# Allegro board 8880F5-0823_1_maisha.brd
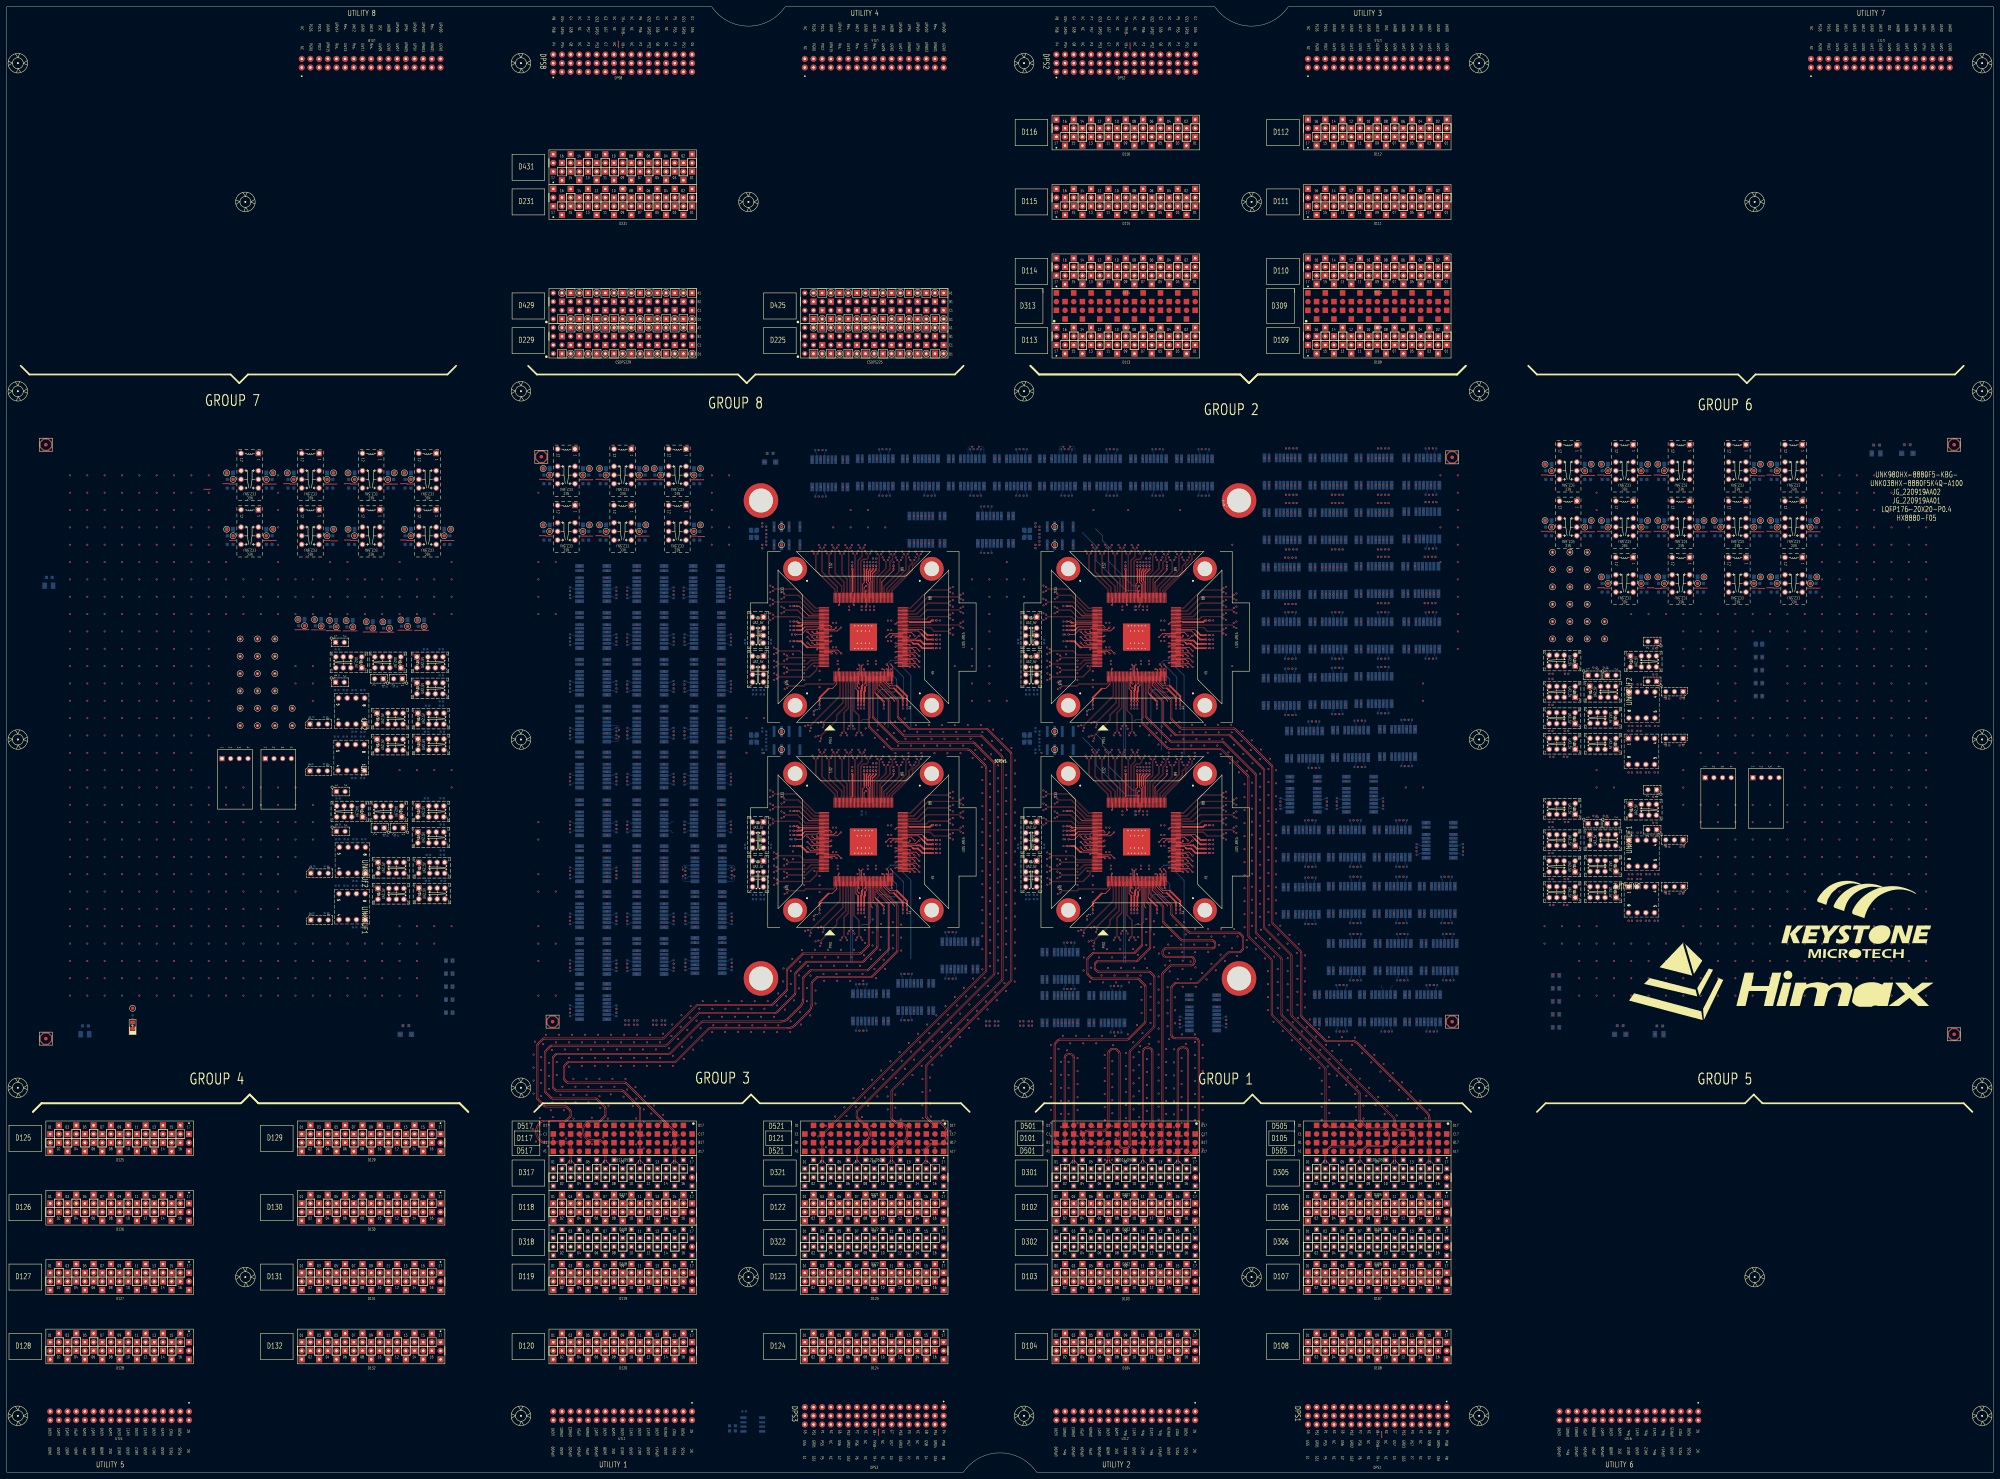
[diagram p0: board, top side]
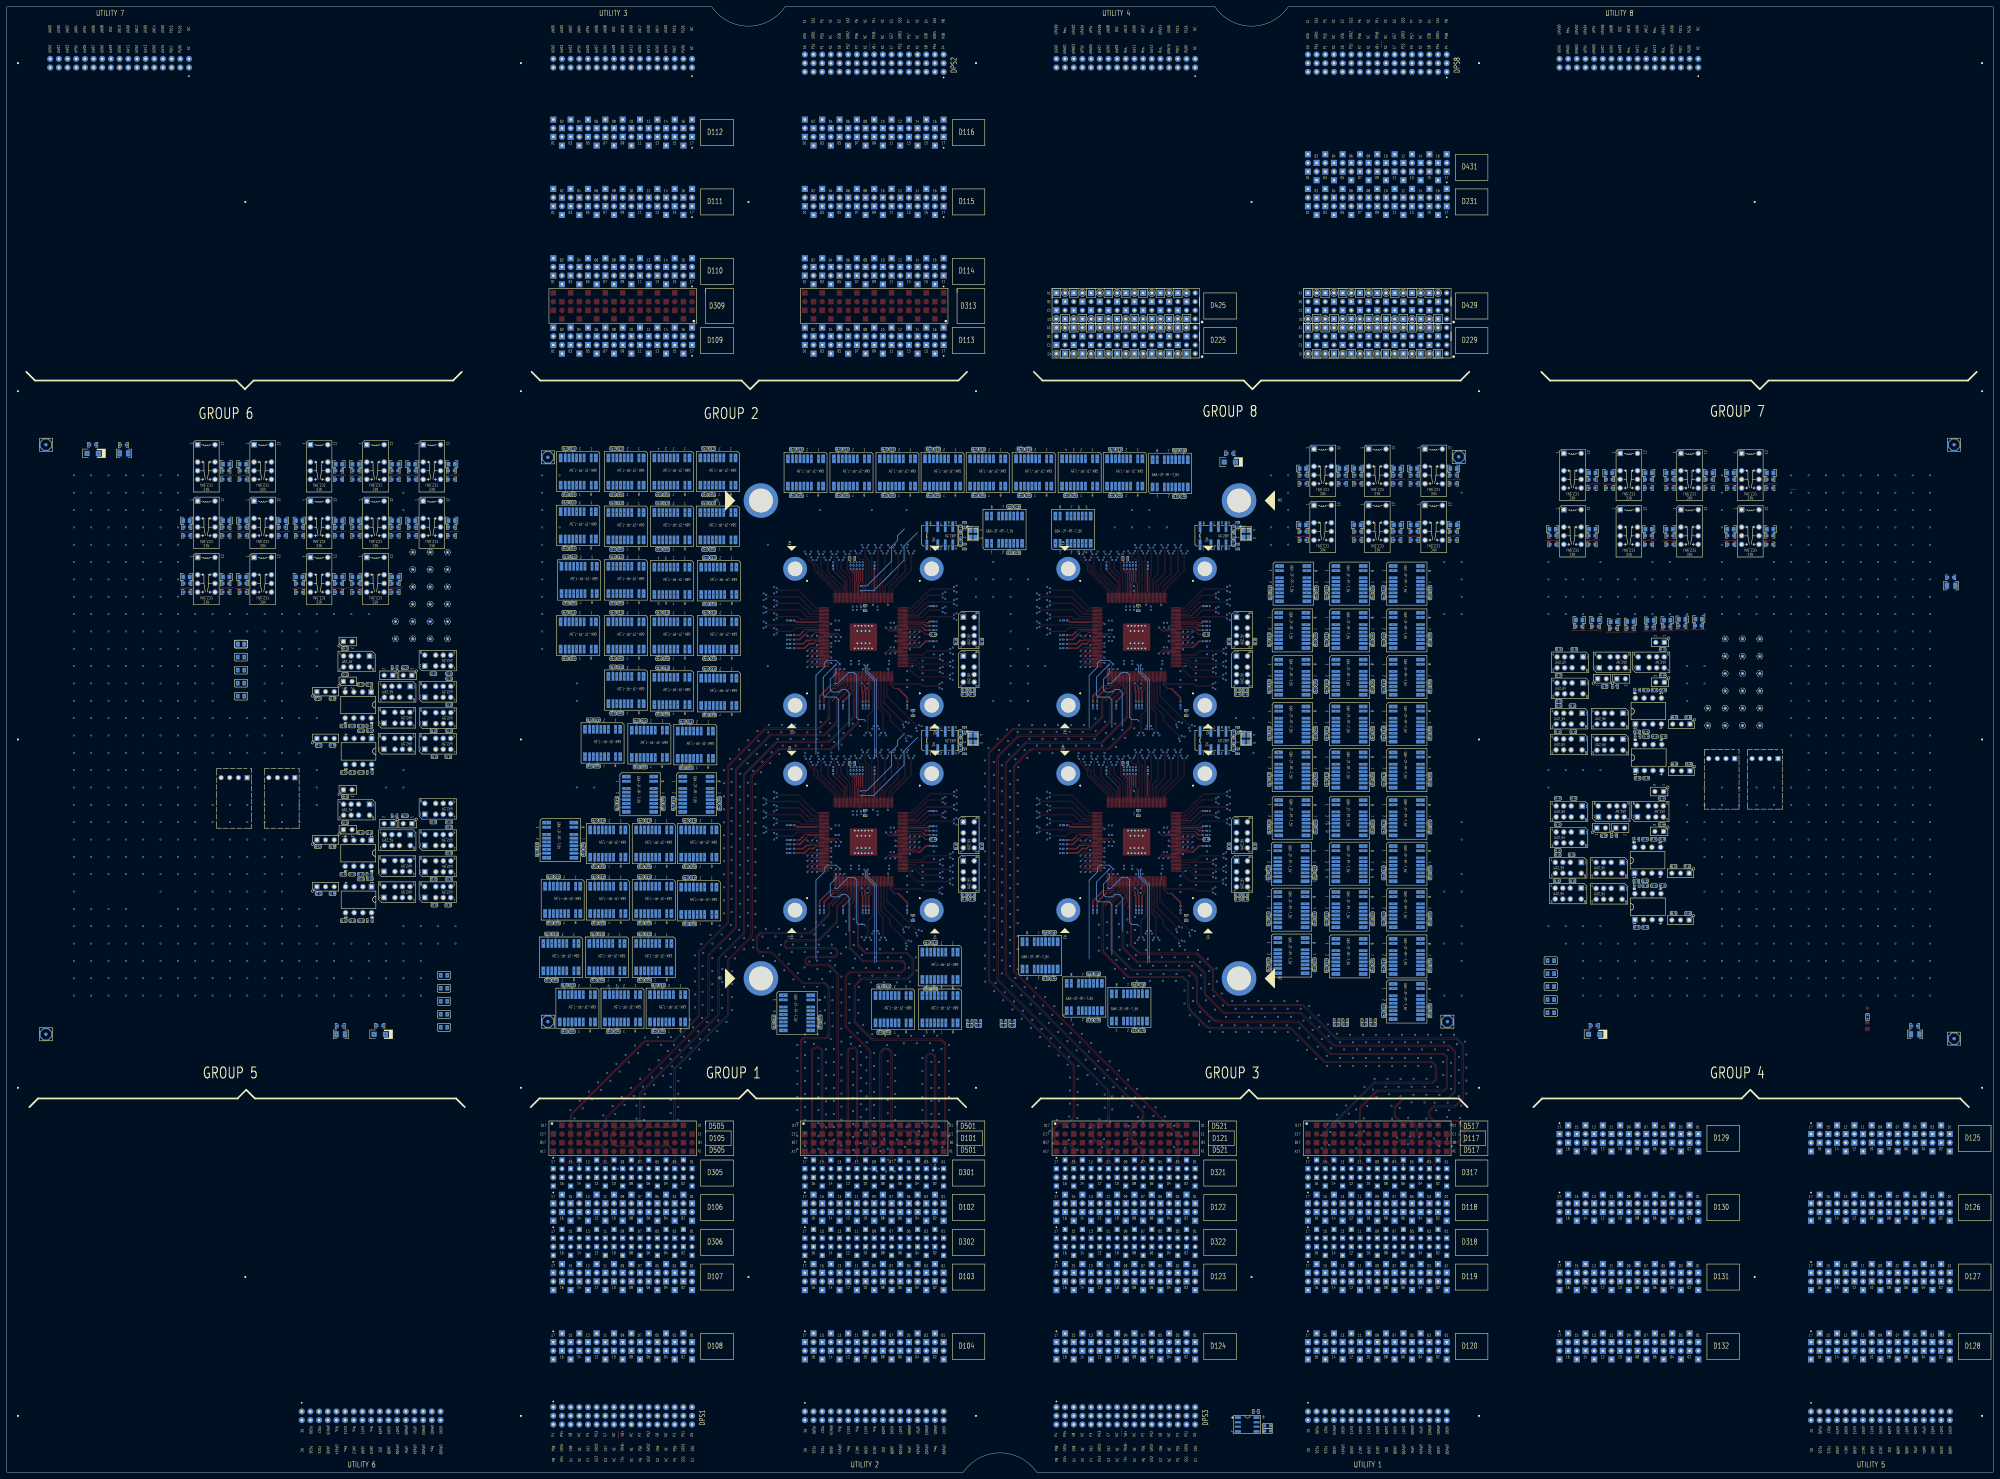
[diagram p1: board, bottom side, seen from below]

Outline 581.66 x 429.26 mm; copper layers: TOP, L02_DGND, L03_SIGNAL, L04_DGND, L05_SIGNAL, L06_DGND, L07_SIGNAL, L08_DGND, L09_SIGNAL, L10_DGND, L11_POWER, L12_DGND, L13_POWER, L14_DGND, L15_POWER, L16_DGND, L17_5V, L18_CBIT, L19_DGND, L20_POWER, L21_DGND, L22_POWER, L23_DGND, L24_POWER, L25_DGND, L26_SIGNAL, L27_DGND, L28_SIGNAL, L29_DGND, L30_SIGNAL, L31_DGND, L32_SIGNAL, L33_DGND, BOTTOM. Coordinates in mm from the lower left corner of the outline.

## Design rules (mm)
net group DIFFPAIR0: nets S1_2TX_100DCH007+ S1_2TX_100DCH007-
net group DIFFPAIR1: nets S1_2TX_100DCH006+ S1_2TX_100DCH006-
net group DIFFPAIR2: nets S1_2TX_100DCH005+ S1_2TX_100DCH005-
net group DIFFPAIR3: nets S1_2TX_100DCH004+ S1_2TX_100DCH004-
net group DIFFPAIR4: nets S1_2TX_100DCH003+ S1_2TX_100DCH003-
net group DIFFPAIR5: nets S1_2TX_100DCH002+ S1_2TX_100DCH002-
net group DIFFPAIR6: nets S1_2TX_100DCH001+ S1_2TX_100DCH001-
net group DIFFPAIR71: nets S1_4TX_100DCH003+ S1_4TX_100DCH003-
net group DIFFPAIR72: nets S1_4TX_100DCH004+ S1_4TX_100DCH004-
net group DIFFPAIR73: nets S1_4TX_100DCH005+ S1_4TX_100DCH005-
net group DIFFPAIR74: nets S1_4TX_100DCH006+ S1_4TX_100DCH006-
net group DIFFPAIR75: nets S1_4TX_100DCH007+ S1_4TX_100DCH007-
net group DIFFPAIR76: nets S1_ISP14+ S1_ISP14-
net group DIFFPAIR77: nets S1_3TX_100DCH002+ S1_3TX_100DCH002-
net group DIFFPAIR78: nets S1_3TX_100DCH003+ S1_3TX_100DCH003-
net group DIFFPAIR79: nets S1_3TX_100DCH004+ S1_3TX_100DCH004-
net group DIFFPAIR80: nets S1_3TX_100DCH005+ S1_3TX_100DCH005-
net group DIFFPAIR81: nets S1_3TX_100DCH006+ S1_3TX_100DCH006-
net group DIFFPAIR82: nets S1_3TX_100DCH007+ S1_3TX_100DCH007-
net group DIFFPAIR83: nets S1_4TX_100DCH001+ S1_4TX_100DCH001-
net group DIFFPAIR84: nets S1_4TX_100DCH002+ S1_4TX_100DCH002-
net group DIFFPAIR85: nets S1_1TX_100DCH007+ S1_1TX_100DCH007-
net group DIFFPAIR86: nets S1_1TX_100DCH006+ S1_1TX_100DCH006-
net group DIFFPAIR87: nets S1_1TX_100DCH005+ S1_1TX_100DCH005-
net group DIFFPAIR88: nets S1_1TX_100DCH004+ S1_1TX_100DCH004-
net group DIFFPAIR89: nets S1_1TX_100DCH003+ S1_1TX_100DCH003-
net group DIFFPAIR90: nets S1_1TX_100DCH002+ S1_1TX_100DCH002-
net group DIFFPAIR91: nets S1_ISP00+ S1_ISP00-
net group DIFFPAIR92: nets S2_4TX_100DCH003+ S2_4TX_100DCH003-
net group DIFFPAIR93: nets S2_4TX_100DCH004+ S2_4TX_100DCH004-
net group DIFFPAIR94: nets S2_4TX_100DCH005+ S2_4TX_100DCH005-
net group DIFFPAIR95: nets S2_4TX_100DCH006+ S2_4TX_100DCH006-
net group DIFFPAIR96: nets S2_4TX_100DCH007+ S2_4TX_100DCH007-
net group DIFFPAIR97: nets S2_4TX_100DCH002+ S2_4TX_100DCH002-
net group DIFFPAIR98: nets S2_4TX_100DCH001+ S2_4TX_100DCH001-
net group DIFFPAIR99: nets S2_3TX_100DCH007+ S2_3TX_100DCH007-
net group DIFFPAIR100: nets S2_3TX_100DCH006+ S2_3TX_100DCH006-
net group DIFFPAIR101: nets S2_3TX_100DCH005+ S2_3TX_100DCH005-
net group DIFFPAIR102: nets S2_3TX_100DCH004+ S2_3TX_100DCH004-
net group DIFFPAIR103: nets S2_3TX_100DCH003+ S2_3TX_100DCH003-
net group DIFFPAIR104: nets S2_3TX_100DCH002+ S2_3TX_100DCH002-
net group DIFFPAIR105: nets S2_ISP14+ S2_ISP14-
net group DIFFPAIR106: nets S2_2TX_100DCH007+ S2_2TX_100DCH007-
net group DIFFPAIR107: nets S2_2TX_100DCH006+ S2_2TX_100DCH006-
net group DIFFPAIR108: nets S2_2TX_100DCH005+ S2_2TX_100DCH005-
net group DIFFPAIR109: nets S2_2TX_100DCH004+ S2_2TX_100DCH004-
net group DIFFPAIR110: nets S2_2TX_100DCH003+ S2_2TX_100DCH003-
net group DIFFPAIR111: nets S2_2TX_100DCH002+ S2_2TX_100DCH002-
net group DIFFPAIR112: nets S2_2TX_100DCH001+ S2_2TX_100DCH001-
net group DIFFPAIR113: nets S2_1TX_100DCH007+ S2_1TX_100DCH007-
net group DIFFPAIR114: nets S2_1TX_100DCH006+ S2_1TX_100DCH006-
net group DIFFPAIR115: nets S2_1TX_100DCH005+ S2_1TX_100DCH005-
net group DIFFPAIR116: nets S2_1TX_100DCH004+ S2_1TX_100DCH004-
net group DIFFPAIR117: nets S2_1TX_100DCH003+ S2_1TX_100DCH003-
net group DIFFPAIR118: nets S2_1TX_100DCH002+ S2_1TX_100DCH002-
net group DIFFPAIR119: nets S2_ISP00+ S2_ISP00-
net group DIFFPAIR120: nets S4_4TX_100DCH007+ S4_4TX_100DCH007-
net group DIFFPAIR121: nets S4_4TX_100DCH006+ S4_4TX_100DCH006-
net group DIFFPAIR122: nets S4_4TX_100DCH005+ S4_4TX_100DCH005-
net group DIFFPAIR123: nets S4_4TX_100DCH004+ S4_4TX_100DCH004-
net group DIFFPAIR124: nets S4_4TX_100DCH003+ S4_4TX_100DCH003-
net group DIFFPAIR125: nets S4_4TX_100DCH002+ S4_4TX_100DCH002-
net group DIFFPAIR126: nets S4_4TX_100DCH001+ S4_4TX_100DCH001-
net group DIFFPAIR127: nets S4_3TX_100DCH007+ S4_3TX_100DCH007-
net group DIFFPAIR128: nets S4_3TX_100DCH006+ S4_3TX_100DCH006-
net group DIFFPAIR129: nets S4_3TX_100DCH005+ S4_3TX_100DCH005-
net group DIFFPAIR130: nets S4_3TX_100DCH004+ S4_3TX_100DCH004-
net group DIFFPAIR131: nets S4_3TX_100DCH003+ S4_3TX_100DCH003-
net group DIFFPAIR132: nets S4_3TX_100DCH002+ S4_3TX_100DCH002-
net group DIFFPAIR133: nets S4_ISP14+ S4_ISP14-
net group DIFFPAIR134: nets S4_2TX_100DCH007+ S4_2TX_100DCH007-
net group DIFFPAIR135: nets S4_2TX_100DCH006+ S4_2TX_100DCH006-
net group DIFFPAIR136: nets S4_2TX_100DCH005+ S4_2TX_100DCH005-
net group DIFFPAIR137: nets S4_2TX_100DCH004+ S4_2TX_100DCH004-
net group DIFFPAIR138: nets S4_2TX_100DCH003+ S4_2TX_100DCH003-
net group DIFFPAIR139: nets S4_2TX_100DCH002+ S4_2TX_100DCH002-
net group DIFFPAIR140: nets S4_2TX_100DCH001+ S4_2TX_100DCH001-
net group DIFFPAIR141: nets S4_1TX_100DCH007+ S4_1TX_100DCH007-
net group DIFFPAIR142: nets S4_1TX_100DCH006+ S4_1TX_100DCH006-
net group DIFFPAIR143: nets S4_1TX_100DCH005+ S4_1TX_100DCH005-
net group DIFFPAIR144: nets S4_1TX_100DCH004+ S4_1TX_100DCH004-
net group DIFFPAIR145: nets S4_1TX_100DCH003+ S4_1TX_100DCH003-
net group DIFFPAIR146: nets S4_1TX_100DCH002+ S4_1TX_100DCH002-
net group DIFFPAIR147: nets S4_ISP00+ S4_ISP00-
net group DIFFPAIR148: nets S3_4TX_100DCH007+ S3_4TX_100DCH007-
net group DIFFPAIR149: nets S3_4TX_100DCH006+ S3_4TX_100DCH006-
net group DIFFPAIR150: nets S3_4TX_100DCH005+ S3_4TX_100DCH005-
net group DIFFPAIR151: nets S3_4TX_100DCH004+ S3_4TX_100DCH004-
net group DIFFPAIR152: nets S3_4TX_100DCH003+ S3_4TX_100DCH003-
net group DIFFPAIR153: nets S3_4TX_100DCH002+ S3_4TX_100DCH002-
net group DIFFPAIR154: nets S3_4TX_100DCH001+ S3_4TX_100DCH001-
net group DIFFPAIR155: nets S3_3TX_100DCH007+ S3_3TX_100DCH007-
net group DIFFPAIR156: nets S3_3TX_100DCH006+ S3_3TX_100DCH006-
net group DIFFPAIR157: nets S3_3TX_100DCH005+ S3_3TX_100DCH005-
net group DIFFPAIR158: nets S3_3TX_100DCH004+ S3_3TX_100DCH004-
net group DIFFPAIR159: nets S3_3TX_100DCH003+ S3_3TX_100DCH003-
net group DIFFPAIR160: nets S3_3TX_100DCH002+ S3_3TX_100DCH002-
net group DIFFPAIR161: nets S3_ISP14+ S3_ISP14-
net group DIFFPAIR162: nets S3_2TX_100DCH007+ S3_2TX_100DCH007-
net group DIFFPAIR163: nets S3_2TX_100DCH006+ S3_2TX_100DCH006-
net group DIFFPAIR164: nets S3_2TX_100DCH005+ S3_2TX_100DCH005-
net group DIFFPAIR165: nets S3_2TX_100DCH004+ S3_2TX_100DCH004-
net group DIFFPAIR166: nets S3_2TX_100DCH003+ S3_2TX_100DCH003-
net group DIFFPAIR167: nets S3_2TX_100DCH002+ S3_2TX_100DCH002-
net group DIFFPAIR168: nets S3_2TX_100DCH001+ S3_2TX_100DCH001-
net group DIFFPAIR169: nets S3_1TX_100DCH007+ S3_1TX_100DCH007-
net group DIFFPAIR170: nets S3_1TX_100DCH006+ S3_1TX_100DCH006-
net group DIFFPAIR171: nets S3_1TX_100DCH005+ S3_1TX_100DCH005-
net group DIFFPAIR172: nets S3_1TX_100DCH004+ S3_1TX_100DCH004-
net group DIFFPAIR173: nets S3_1TX_100DCH003+ S3_1TX_100DCH003-
net group DIFFPAIR174: nets S3_1TX_100DCH002+ S3_1TX_100DCH002-
net group DIFFPAIR175: nets S3_ISP00+ S3_ISP00-
net group DIFFPAIR176: nets S1_1TX_100DCH001+ S1_1TX_100DCH001-
net group DIFFPAIR177: nets S3_1TX_100DCH001+ S3_1TX_100DCH001-
net group DIFFPAIR178: nets S4_1TX_100DCH001+ S4_1TX_100DCH001-
net group DIFFPAIR179: nets S2_1TX_100DCH001+ S2_1TX_100DCH001-

## Placement (name value [footprint] x y rotation side)
BD29  BD120-3A-S8  [FB0805]  129.54 134.62 180 bottom
BD30  BD120-3A-S8  [FB0805]  129.54 146.05 180 bottom
BD31  BD120-3A-S8  [FB0805]  129.54 142.24 0 bottom
BD32  BD120-3A-S8  [FB0805]  513.08 238.76 180 bottom
BD33  BD120-3A-S8  [FB0805]  513.08 242.57 180 bottom
BD34  BD120-3A-S8  [FB0805]  453.64 145.54 0 bottom
BD35  BD120-3A-S8  [FB0805]  453.64 137.92 180 bottom
BD36  BD120-3A-S8  [FB0805]  129.54 138.43 180 bottom
BD37  BD120-3A-S8  [FB0805]  453.64 130.3 180 bottom
BD38  BD120-3A-S8  [FB0805]  513.08 242.57 180 bottom
BD39  BD120-3A-S8  [FB0805]  453.64 141.73 0 bottom
BD40  BD120-3A-S8  [FB0805]  453.64 134.11 180 bottom
BD41  BD120-3A-S8  [FB0805]  513.08 234.95 180 bottom
BD42  BD120-3A-S8  [FB0805]  513.08 231.14 180 bottom
BD43  BD120-3A-S8  [FB0805]  513.08 227.33 180 bottom
BD44  BD120-3A-S8  [FB0805]  129.54 149.86 180 bottom
BR902  330-1-S4  [R0402]  36.83 133.35 270 bottom
C3  0.1U-16-X-S4-MU  [C0402]  184.15 132.33 180 bottom
C4  0.1U-16-X-S4-MU  [C0402]  181.61 132.33 180 bottom
C5  22P-50-N-S4-AVX  [C0402]  221.21 277.48 90 bottom
C6  22P-50-N-S4-AVX  [C0402]  221.21 271.16 270 bottom
C7  0.1U-16-X-S4-MU  [C0402]  110.74 230.12 0 bottom
C8  0.1U-16-X-S4-MU  [C0402]  104.14 215.5 180 bottom
C9  0.1U-16-X-S4-MU  [C0402]  104.24 229.1 180 bottom
CA1  NC/10U-10-X6S-S6-MU  [C0603]  186.05 292.1 0 bottom
CA2  NC/47U-10-X5R-S8-TDK  [C0805]  186.16 294 0 bottom
CA3  NC/10U-10-X6S-S6-MU  [C0603]  174.62 292.1 180 bottom
CA4  NC/47U-10-X5R-S8-TDK  [C0805]  174.52 294 180 bottom
CA5  NC/10U-10-X6S-S6-MU  [C0603]  117.47 290.83 180 bottom
CA6  NC/47U-10-X5R-S8-TDK  [C0805]  117.37 292.74 180 bottom
CA7  NC/10U-10-X6S-S6-MU  [C0603]  169.54 292.1 0 bottom
CA8  NC/47U-10-X5R-S8-TDK  [C0805]  169.65 294 0 bottom
CA9  NC/10U-10-X6S-S6-MU  [C0603]  158.11 292.1 180 bottom
CA10  NC/47U-10-X5R-S8-TDK  [C0805]  158.01 294 180 bottom
CA11  NC/10U-10-X6S-S6-MU  [C0603]  186.05 275.59 0 bottom
CA12  NC/47U-10-X5R-S8-TDK  [C0805]  186.16 277.5 0 bottom
CA13  NC/47U-10-X5R-S8-TDK  [C0805]  202.16 294 0 bottom
CA14  NC/10U-10-X6S-S6-MU  [C0603]  202.06 292.1 0 bottom
CA15  NC/47U-10-X5R-S8-TDK  [C0805]  190.53 294 180 bottom
CA16  NC/10U-10-X6S-S6-MU  [C0603]  190.63 292.1 180 bottom
CA17  NC/47U-10-X5R-S8-TDK  [C0805]  169.65 277.5 0 bottom
CA18  NC/10U-10-X6S-S6-MU  [C0603]  169.54 275.59 0 bottom
CA19  NC/47U-10-X5R-S8-TDK  [C0805]  100.34 249.52 180 bottom
CA20  NC/10U-10-X6S-S6-MU  [C0603]  100.44 247.61 180 bottom
CA21  10U-10-X6S-S6-MU  [C0603]  186.05 289.56 0 bottom
CA22  10U-10-X6S-S6-MU  [C0603]  174.62 289.56 180 bottom
CA23  10U-10-X6S-S6-MU  [C0603]  117.47 288.29 180 bottom
CA24  10U-10-X6S-S6-MU  [C0603]  169.54 289.56 0 bottom
CA25  10U-10-X6S-S6-MU  [C0603]  158.11 289.56 180 bottom
CA26  10U-10-X6S-S6-MU  [C0603]  186.05 273.05 0 bottom
CA27  10U-10-X6S-S6-MU  [C0603]  202.06 289.56 0 bottom
CA28  10U-10-X6S-S6-MU  [C0603]  190.63 289.56 180 bottom
CA29  10U-10-X6S-S6-MU  [C0603]  169.54 273.05 0 bottom
CA30  NC/47U-10-X5R-S8-TDK  [C0805]  95.47 249.57 180 bottom
CA31  10U-10-X6S-S6-MU  [C0603]  95.57 247.66 180 bottom
CA32  NC/10U-10-X6S-S6-MU  [C0603]  202.06 275.59 0 bottom
CA33  NC/47U-10-X5R-S8-TDK  [C0805]  202.16 277.5 0 bottom
CA34  10U-10-X6S-S6-MU  [C0603]  202.06 273.05 0 bottom
CA35  NC/10U-10-X6S-S6-MU  [C0603]  174.62 275.59 180 bottom
CA36  NC/47U-10-X5R-S8-TDK  [C0805]  174.52 277.5 180 bottom
CA37  10U-10-X6S-S6-MU  [C0603]  174.62 273.05 180 bottom
CA38  NC/10U-10-X6S-S6-MU  [C0603]  158.11 275.59 180 bottom
CA39  NC/47U-10-X5R-S8-TDK  [C0805]  158.01 277.5 180 bottom
CA40  10U-10-X6S-S6-MU  [C0603]  158.11 273.05 180 bottom
CB1  0.1U-25-X-S6  [C0603]  116.84 130.81 0 bottom
CB2  10U-16-T-SA  [CODE_A]  116.84 128.27 0 bottom
CB3  0.1U-25-X-S6  [C0603]  472.44 130.81 0 bottom
CB4  10U-16-T-SA  [CODE_A]  472.44 128.27 0 bottom
CB5  0.1U-25-X-S6  [C0603]  556.51 300.99 0 bottom
CB6  10U-16-T-SA  [CODE_A]  556.51 298.45 0 bottom
CB7  0.1U-25-X-S6  [C0603]  223.52 298.45 0 bottom
CB8  10U-16-T-SA  [CODE_A]  223.52 295.91 0 bottom
CB9  0.1U-25-X-S6  [C0603]  23.01 130.71 0 bottom
CB10  10U-25-X7R-SA  [C1206]  22.86 128.27 0 bottom
CB11  0.1U-25-X-S6  [C0603]  484.02 130.71 0 bottom
CB12  10U-25-X7R-SA  [C1206]  483.87 128.27 0 bottom
CB13  0.1U-25-X-S6  [C0603]  547.52 300.89 0 bottom
CB14  10U-25-X7R-SA  [C1206]  547.37 298.45 0 bottom
CB15  0.1U-25-X-S6  [C0603]  12.45 262.13 0 bottom
CB16  10U-25-X7R-SA  [C1206]  12.3 259.69 0 bottom
CB19  0.1U-25-X7R-S4-MU  [C0402]  215.9 17.78 180 bottom
CC1  0.47U-10-X6S-S2-TY  [C0201]  237.98 224.12 90 bottom
CC2  4.7U-10-X6T-S4-MU  [C0402]  236.32 222.4 270 bottom
CC4  0.47U-10-X6S-S2-TY  [C0201]  229.81 247.93 0 bottom
CC6  0.47U-10-X6S-S2-TY  [C0201]  250.17 224.12 90 bottom
CC7  0.47U-10-X6S-S2-TY  [C0201]  229.81 246.66 0 bottom
CC8  0.47U-10-X6S-S2-TY  [C0201]  263.63 224.12 90 bottom
CC9  0.47U-10-X6S-S2-TY  [C0201]  254.61 266.16 270 bottom
CC11  0.47U-10-X6S-S2-TY  [C0201]  251.06 224.12 90 bottom
CC13  0.47U-10-X6S-S2-TY  [C0201]  256.77 224.12 90 bottom
CC15  4.7U-2.5-X6S-S2-MU  [C0201]  259.65 264.95 90 bottom
CC16  NC/4.7U-2.5-X6S-S2-MU  [C0201]  271.64 249.5 0 bottom
CC17  4.7U-2.5-X6S-S2-MU  [C0201]  229.81 253.69 0 bottom
CC19  0.47U-10-X6S-S2-TY  [C0201]  252.83 266.16 270 bottom
CC20  4.7U-10-X6T-S4-MU  [C0402]  254.11 267.66 0 bottom
CC22  0.47U-10-X6S-S2-TY  [C0201]  251.05 266.16 270 bottom
CC23  4.7U-10-X6T-S4-MU  [C0402]  250.34 253.09 270 bottom
CC25  0.47U-10-X6S-S2-TY  [C0201]  272.85 245.18 180 bottom
CC26  0.47U-10-X6S-S2-TY  [C0201]  253.72 266.16 270 bottom
CC27  0.47U-10-X6S-S2-TY  [C0201]  272.85 249.5 180 bottom
CC28  0.47U-10-X6S-S2-TY  [C0201]  259.65 266.16 270 bottom
CC29  0.47U-10-X6S-S2-TY  [C0201]  231.03 253.69 180 bottom
CC30  0.47U-10-X6S-S2-TY  [C0201]  229.81 243.41 0 bottom
CC31  0.47U-10-X6S-S2-TY  [C0201]  249.28 224.12 90 bottom
CC32  0.47U-10-X6S-S2-TY  [C0201]  262.36 224.12 90 bottom
CC33  0.47U-10-X6S-S2-TY  [C0201]  272.85 243.91 180 bottom
CC34  0.47U-10-X6S-S2-TY  [C0201]  251.94 266.16 270 bottom
CC35  0.47U-10-X6S-S2-TY  [C0201]  272.85 241.37 180 bottom
CC36  0.47U-10-X6S-S2-TY  [C0201]  272.85 242.64 180 bottom
CC37  0.47U-10-X6S-S2-TY  [C0201]  247.57 264.95 90 bottom
CC38  NC/4.7U-2.5-X6S-S2-MU  [C0201]  247.57 266.16 270 bottom
CC39  0.47U-10-X6S-S2-TY  [C0201]  231.03 249.2 180 bottom
CC40  4.7U-2.5-X6S-S2-MU  [C0201]  258.5 246.67 180 bottom
CC41  4.7U-2.5-X6S-S2-MU  [C0201]  229.81 249.2 0 bottom
CC42  4.7U-2.5-X6S-S2-MU  [C0201]  251.54 253.03 90 bottom
CD1  0.1U-10-X7R-S2-MU  [C0201]  237.98 225.34 270 top
CD3  0.1U-10-X7R-S2-MU  [C0201]  271.64 241.37 0 top
CD4  0.1U-10-X7R-S2-MU  [C0201]  254.61 264.95 90 top
CD5  0.1U-10-X7R-S2-MU  [C0201]  263.63 225.34 270 top
CD6  0.1U-10-X7R-S2-MU  [C0201]  231.03 246.66 180 top
CD7  0.1U-10-X7R-S2-MU  [C0201]  271.64 242.64 0 top
CD8  0.1U-10-X7R-S2-MU  [C0201]  251.06 225.34 270 top
CD9  0.1U-10-X7R-S2-MU  [C0201]  256.77 225.34 270 top
CD10  0.1U-10-X7R-S2-MU  [C0201]  271.64 249.5 0 top
CD11  0.1U-10-X7R-S2-MU  [C0201]  259.65 264.95 90 top
CD12  0.1U-10-X7R-S2-MU  [C0201]  231.03 253.69 180 top
CD13  0.1U-10-X7R-S2-MU  [C0201]  252.83 264.95 90 top
CD14  0.1U-10-X7R-S2-MU  [C0201]  251.05 264.95 90 top
CD15  0.1U-10-X7R-S2-MU  [C0201]  271.64 245.18 0 top
CD16  0.1U-10-X7R-S2-MU  [C0201]  253.72 264.95 90 top
CD17  0.1U-10-X7R-S2-MU  [C0201]  231.03 247.93 180 top
CD18  0.1U-10-X7R-S2-MU  [C0201]  251.94 264.95 90 top
CD19  0.1U-10-X7R-S2-MU  [C0201]  231.03 243.41 180 top
CD20  0.1U-10-X7R-S2-MU  [C0201]  271.64 243.91 0 top
CD21  0.1U-10-X7R-S2-MU  [C0201]  262.36 225.34 270 top
CD22  0.1U-10-X7R-S2-MU  [C0201]  249.28 225.34 270 top
CD23  0.1U-10-X7R-S2-MU  [C0201]  250.17 225.34 270 top
CD24  0.1U-10-X7R-S2-MU  [C0201]  247.57 264.95 90 top
CD25  0.1U-10-X7R-S2-MU  [C0201]  231.03 249.2 180 top
CSDPS225  V93K_CSDPS_DPS32  [PG_VG93K_PF_DPS32_G8D225]  254 331.47 0 top
CSDPS229  V93K_CSDPS_DPS32  [PG_VG93K_PF_DPS32_G8D229]  180.34 331.47 0 top
CSDPS425  V93K_CSDPS_DPS32  [PG_VG93K_PF_DPS32_G8D425]  254 341.63 0 top
CSDPS429  V93K_CSDPS_DPS32  [PG_VG93K_PF_DPS32_G8D429]  180.34 341.63 0 top
D101/D501  V93K_PS1600 HD  [PG_VG93K_F_HSM_G1D101_501_ND]  327.66 97.79 0 top
D102  V93K_CH  [PG_VG93K_F_G1D102]  327.66 77.47 0 top
D103  V93K_CH  [PG_VG93K_F_G1D103]  327.66 57.15 0 top
D104  V93K_CH  [PG_VG93K_F_G1D104]  327.66 36.83 0 top
D105/D505  V93K_PS1600 HD  [PG_VG93K_F_HSM_G1D105_505_ND]  401.32 97.79 0 top
D106  V93K_CH  [PG_VG93K_F_G1D106]  401.32 77.47 0 top
D107  V93K_CH  [PG_VG93K_F_G1D107]  401.32 57.15 0 top
D108  V93K_CH  [PG_VG93K_F_G1D108]  401.32 36.83 0 top
D109  V93K_CH  [PG_VG93K_F_G2D109]  401.32 331.47 0 top
D110  V93K_CH  [PG_VG93K_F_G2D110]  401.32 351.79 0 top
D111  V93K_CH  [PG_VG93K_F_G2D111]  401.32 372.11 0 top
D112  V93K_CH  [PG_VG93K_F_G2D112]  401.32 392.43 0 top
D113  V93K_CH  [PG_VG93K_F_G2D113]  327.66 331.47 0 top
D114  V93K_CH  [PG_VG93K_F_G2D114]  327.66 351.79 0 top
D115  V93K_CH  [PG_VG93K_F_G2D115]  327.66 372.11 0 top
D116  V93K_CH  [PG_VG93K_F_G2D116]  327.66 392.43 0 top
D117/D517  V93K_PS1600 HD  [PG_VG93K_F_HSM_G3D117_517_ND]  180.34 97.79 0 top
D118  V93K_CH  [PG_VG93K_F_G3D118]  180.34 77.47 0 top
D119  V93K_CH  [PG_VG93K_F_G3D119]  180.34 57.15 0 top
D120  V93K_CH  [PG_VG93K_F_G3D120]  180.34 36.83 0 top
D121/D521  V93K_PS1600 HD  [PG_VG93K_F_HSM_G3D121_521_ND]  254 97.79 0 top
D122  V93K_CH  [PG_VG93K_F_G3D122]  254 77.47 0 top
D123  V93K_CH  [PG_VG93K_F_G3D123]  254 57.15 0 top
D124  V93K_CH  [PG_VG93K_F_G3D124]  254 36.83 0 top
D125  V93K_CH  [PG_VG93K_F_G4D125]  33.02 97.79 0 top
D126  V93K_CH  [PG_VG93K_F_G4D126]  33.02 77.47 0 top
D127  V93K_CH  [PG_VG93K_F_G4D127]  33.02 57.15 0 top
D128  V93K_CH  [PG_VG93K_F_G4D128]  33.02 36.83 0 top
D129  V93K_CH  [PG_VG93K_F_G4D129]  106.68 97.79 0 top
D130  V93K_CH  [PG_VG93K_F_G4D130]  106.68 77.47 0 top
D131  V93K_CH  [PG_VG93K_F_G4D131]  106.68 57.15 0 top
D132  V93K_CH  [PG_VG93K_F_G4D132]  106.68 36.83 0 top
D231  V93K_CH  [PG_VG93K_F_G8D231]  180.34 372.11 0 top
D301  V93K_CH  [PG_VG93K_F_G1D301]  327.66 87.63 0 top
D302  V93K_CH  [PG_VG93K_F_G1D302]  327.66 67.31 0 top
D305  V93K_CH  [PG_VG93K_F_G1D305]  401.32 87.63 0 top
D306  V93K_CH  [PG_VG93K_F_G1D306]  401.32 67.31 0 top
D309  V93K_PSSL  [PG_VG93K_F_PSSL_G2D309_ND]  401.32 341.63 0 top
D313  V93K_PSSL  [PG_VG93K_F_PSSL_G2D313_ND]  327.66 341.63 0 top
D317  V93K_CH  [PG_VG93K_F_G3D317]  180.34 87.63 0 top
D318  V93K_CH  [PG_VG93K_F_G3D318]  180.34 67.31 0 top
D321  V93K_CH  [PG_VG93K_F_G3D321]  254 87.63 0 top
D322  V93K_CH  [PG_VG93K_F_G3D322]  254 67.31 0 top
D431  V93K_CH  [PG_VG93K_F_G8D431]  180.34 382.27 0 top
DPS1  V93K_DPS  [PG_VG93K_F_G1DPS1]  401.32 16.51 0 top
DPS2  V93K_DPS  [PG_VG93K_F_G2DPS2]  327.66 412.75 0 top
DPS3  V93K_DPS  [PG_VG93K_F_G3DPS3]  254 16.51 0 top
DPS8  V93K_DPS  [PG_VG93K_F_G8DPS8]  180.34 412.75 0 top
FD1  -  [FD_040_V2]  159.82 131.98 0 top
FD2  -  [FD_040_V2]  423.24 131.98 0 top
FD3  -  [FD_040_V2]  423.24 297.28 0 top
FD4  -  [FD_040_V2]  156.51 297.46 0 top
FD5  -  [FD_040_V2]  159.82 131.98 180 bottom
FD6  -  [FD_040_V2]  423.24 131.98 180 bottom
FD7  -  [FD_040_V2]  423.24 297.28 180 bottom
FD8  -  [FD_040_V2]  156.51 297.46 180 bottom